# Allegro board LED_FIN.brd (continued)
## Placement (name value [footprint] x y rotation side) (continued)
U219  -  [NTK3134N-D]  165.9 158.25 0 top
U220  -  [NTK3134N-D]  167.9 158.25 0 top
U221  -  [NTK3134N-D]  169.9 158.25 0 top
U222  -  [NTK3134N-D]  171.9 158.25 0 top
U223  -  [NTK3134N-D]  173.9 158.25 0 top
U224  -  [NTK3134N-D]  175.9 158.25 0 top
U225  -  [NTK3134N-D]  177.9 158.25 0 top
U226  -  [NTK3134N-D]  179.9 158.25 0 top
U227  -  [NTK3134N-D]  181.9 158.25 0 top
U228  -  [NTK3134N-D]  183.9 158.25 0 top
U229  -  [NTK3134N-D]  185.9 158.25 0 top
U230  -  [NTK3134N-D]  187.9 158.25 0 top
U231  -  [NTK3134N-D]  189.9 158.25 0 top
U232  -  [NTK3134N-D]  191.9 158.25 0 top
U233  -  [NTK3134N-D]  193.9 158.25 0 top
U234  -  [NTK3134N-D]  195.9 158.25 0 top
U235  -  [NTK3134N-D]  197.9 158.25 0 top
U236  -  [NTK3134N-D]  199.9 158.25 0 top
U237  -  [NTK3134N-D]  201.9 158.25 0 top
U238  -  [NTK3134N-D]  203.9 158.25 0 top
U239  -  [NTK3134N-D]  205.9 158.25 0 top
U240  -  [NTK3134N-D]  207.9 158.25 0 top
U241  -  [NTK3134N-D]  209.9 158.25 0 top
U242  -  [NTK3134N-D]  211.9 158.25 0 top
U243  -  [NTK3134N-D]  213.9 158.25 0 top
U244  -  [NTK3134N-D]  215.9 158.25 0 top
U245  -  [NTK3134N-D]  217.9 158.25 0 top
U246  -  [NTK3134N-D]  219.9 158.25 0 top
U247  -  [NTK3134N-D]  221.9 158.25 0 top
U248  -  [NTK3134N-D]  223.9 158.25 0 top
U249  -  [NTK3134N-D]  225.9 158.25 0 top
U250  -  [NTK3134N-D]  227.9 158.25 0 top
U251  -  [NTK3134N-D]  229.9 158.25 0 top
U252  -  [NTK3134N-D]  231.9 158.25 0 top
U253  -  [NTK3134N-D]  233.9 158.25 0 top
U254  -  [NTK3134N-D]  235.9 158.25 0 top
U255  -  [NTK3134N-D]  237.9 158.25 0 top
U256  -  [NTK3134N-D]  239.9 158.25 0 top
U257  -  [NTK3134N-D]  241.9 158.25 0 top
U258  -  [NTK3134N-D]  243.9 158.25 0 top
U259  -  [NTK3134N-D]  245.9 158.25 0 top
U260  -  [NTK3134N-D]  247.9 158.25 0 top
U261  -  [NTK3134N-D]  249.9 158.25 0 top
U262  -  [NTK3134N-D]  251.9 158.25 0 top
U263  -  [NTK3134N-D]  253.9 158.25 0 top
U264  -  [NTK3134N-D]  255.9 158.25 0 top
U265  -  [NTK3134N-D]  257.9 158.25 0 top
U266  -  [NTK3134N-D]  259.9 158.25 0 top
U267  -  [NTK3134N-D]  261.9 158.25 0 top
U268  -  [NTK3134N-D]  263.9 158.25 0 top
U269  -  [NTK3134N-D]  265.9 158.25 0 top
U270  -  [NTK3134N-D]  267.9 158.25 0 top
U271  -  [NTK3134N-D]  269.9 158.25 0 top
U272  -  [NTK3134N-D]  271.9 158.25 0 top
U273  -  [NTK3134N-D]  273.9 158.25 0 top
U274  -  [NTK3134N-D]  275.9 158.25 0 top
U275  -  [NTK3134N-D]  145.2 103.45 180 top
U276  -  [NTK3134N-D]  147.2 103.45 180 top
U277  -  [NTK3134N-D]  149.2 103.45 180 top
U278  -  [NTK3134N-D]  151.2 103.45 180 top
U279  -  [NTK3134N-D]  153.2 103.45 180 top
U280  -  [NTK3134N-D]  155.2 103.45 180 top
U281  -  [NTK3134N-D]  157.2 103.45 180 top
U282  -  [NTK3134N-D]  159.2 103.45 180 top
U283  -  [NTK3134N-D]  161.2 103.45 180 top
U284  -  [NTK3134N-D]  163.2 103.45 180 top
U285  -  [NTK3134N-D]  165.2 103.45 180 top
U286  -  [NTK3134N-D]  167.2 103.45 180 top
U287  -  [NTK3134N-D]  169.2 103.45 180 top
U288  -  [NTK3134N-D]  171.2 103.45 180 top
U289  -  [NTK3134N-D]  173.2 103.45 180 top
U290  -  [NTK3134N-D]  175.2 103.45 180 top
U291  -  [NTK3134N-D]  177.2 103.45 180 top
U292  -  [NTK3134N-D]  179.2 103.45 180 top
U293  -  [NTK3134N-D]  181.2 103.45 180 top
U294  -  [NTK3134N-D]  183.2 103.45 180 top
U295  -  [NTK3134N-D]  185.2 103.45 180 top
U296  -  [NTK3134N-D]  187.2 103.45 180 top
U297  -  [NTK3134N-D]  189.2 103.45 180 top
U298  -  [NTK3134N-D]  191.2 103.45 180 top
U299  -  [NTK3134N-D]  193.2 103.45 180 top
U300  -  [NTK3134N-D]  195.2 103.45 180 top
U301  -  [NTK3134N-D]  197.2 103.45 180 top
U302  -  [NTK3134N-D]  199.2 103.45 180 top
U303  -  [NTK3134N-D]  201.2 103.45 180 top
U304  -  [NTK3134N-D]  203.2 103.45 180 top
U305  -  [NTK3134N-D]  205.2 103.45 180 top
U306  -  [NTK3134N-D]  207.2 103.45 180 top
U307  -  [NTK3134N-D]  209.2 103.45 180 top
U308  -  [NTK3134N-D]  211.2 103.45 180 top
U309  -  [NTK3134N-D]  213.2 103.45 180 top
U310  -  [NTK3134N-D]  215.2 103.45 180 top
U311  -  [NTK3134N-D]  217.2 103.45 180 top
U312  -  [NTK3134N-D]  39.2 103.45 180 top
U313  -  [NTK3134N-D]  41.2 103.45 180 top
U314  -  [NTK3134N-D]  219.2 103.45 180 top
U315  -  [NTK3134N-D]  221.2 103.45 180 top
U316  -  [NTK3134N-D]  223.2 103.45 180 top
U317  -  [NTK3134N-D]  225.2 103.45 180 top
U318  -  [NTK3134N-D]  227.2 103.45 180 top
U319  -  [NTK3134N-D]  229.2 103.45 180 top
U320  -  [NTK3134N-D]  231.2 103.45 180 top
U321  -  [NTK3134N-D]  233.2 103.45 180 top
U322  -  [NTK3134N-D]  235.2 103.45 180 top
U323  -  [NTK3134N-D]  237.2 103.45 180 top
U324  -  [NTK3134N-D]  239.2 103.45 180 top
U325  -  [NTK3134N-D]  241.2 103.45 180 top
U326  -  [NTK3134N-D]  243.2 103.45 180 top
U327  -  [NTK3134N-D]  245.2 103.45 180 top
U328  -  [NTK3134N-D]  247.2 103.45 180 top
U329  -  [NTK3134N-D]  249.2 103.45 180 top
U330  -  [NTK3134N-D]  251.2 103.45 180 top
U331  -  [NTK3134N-D]  253.2 103.45 180 top
U332  -  [NTK3134N-D]  255.2 103.45 180 top
U333  -  [NTK3134N-D]  257.2 103.45 180 top
U334  -  [NTK3134N-D]  259.2 103.45 180 top
U335  -  [NTK3134N-D]  261.2 103.45 180 top
U336  -  [NTK3134N-D]  263.2 103.45 180 top
U337  -  [NTK3134N-D]  265.2 103.45 180 top
U338  -  [NTK3134N-D]  267.2 103.45 180 top
U339  -  [NTK3134N-D]  269.2 103.45 180 top
U340  -  [NTK3134N-D]  271.2 103.45 180 top
U341  -  [NTK3134N-D]  273.2 103.45 180 top
U342  -  [NTK3134N-D]  275.2 103.45 180 top
U343  -  [NTK3134N-D]  277.2 103.45 180 top
U344  -  [NTK3134N-D]  43.2 103.45 180 top
U345  -  [NTK3134N-D]  45.2 103.45 180 top
U346  -  [NTK3134N-D]  47.2 103.45 180 top
U347  -  [NTK3134N-D]  49.2 103.45 180 top
U348  -  [NTK3134N-D]  51.2 103.45 180 top
U349  -  [NTK3134N-D]  53.2 103.45 180 top
U350  -  [NTK3134N-D]  55.2 103.45 180 top
U351  -  [NTK3134N-D]  57.2 103.45 180 top
U352  -  [NTK3134N-D]  59.2 103.45 180 top
U353  -  [NTK3134N-D]  61.2 103.45 180 top
U354  -  [NTK3134N-D]  63.2 103.45 180 top
U355  -  [NTK3134N-D]  65.2 103.45 180 top
U356  -  [NTK3134N-D]  67.2 103.45 180 top
U357  -  [NTK3134N-D]  69.2 103.45 180 top
U358  -  [NTK3134N-D]  71.2 103.45 180 top
U359  -  [NTK3134N-D]  73.2 103.45 180 top
U360  -  [NTK3134N-D]  75.2 103.45 180 top
U361  -  [NTK3134N-D]  77.2 103.45 180 top
U362  -  [NTK3134N-D]  79.2 103.45 180 top
U363  -  [NTK3134N-D]  81.2 103.45 180 top
U364  -  [NTK3134N-D]  83.2 103.45 180 top
U365  -  [NTK3134N-D]  85.2 103.45 180 top
U366  -  [NTK3134N-D]  87.2 103.45 180 top
U367  -  [NTK3134N-D]  89.2 103.45 180 top
U368  -  [NTK3134N-D]  91.2 103.45 180 top
U369  -  [NTK3134N-D]  93.2 103.45 180 top
U370  -  [NTK3134N-D]  95.2 103.45 180 top
U371  -  [NTK3134N-D]  97.2 103.45 180 top
U372  -  [NTK3134N-D]  99.2 103.45 180 top
U373  -  [NTK3134N-D]  101.2 103.45 180 top
U374  -  [NTK3134N-D]  103.2 103.45 180 top
U375  -  [NTK3134N-D]  105.2 103.45 180 top
U376  -  [NTK3134N-D]  107.2 103.45 180 top
U377  -  [NTK3134N-D]  109.2 103.45 180 top
U378  -  [NTK3134N-D]  111.2 103.45 180 top
U379  -  [NTK3134N-D]  113.2 103.45 180 top
U380  -  [NTK3134N-D]  115.2 103.45 180 top
U381  -  [NTK3134N-D]  117.2 103.45 180 top
U382  -  [NTK3134N-D]  119.2 103.45 180 top
U383  -  [NTK3134N-D]  121.2 103.45 180 top
U384  -  [NTK3134N-D]  123.2 103.45 180 top
U385  -  [NTK3134N-D]  125.2 103.45 180 top
U386  -  [NTK3134N-D]  127.2 103.45 180 top
U387  -  [NTK3134N-D]  129.2 103.45 180 top
U388  -  [NTK3134N-D]  131.2 103.45 180 top
U389  -  [NTK3134N-D]  133.2 103.45 180 top
U390  -  [NTK3134N-D]  135.2 103.45 180 top
U391  -  [NTK3134N-D]  137.2 103.45 180 top
U392  -  [NTK3134N-D]  139.2 103.45 180 top
U393  -  [NTK3134N-D]  141.2 103.45 180 top
U394  -  [NTK3134N-D]  143.2 103.45 180 top
U395  -  [NTK3134N-D]  145.3 13.5 180 top
U396  -  [NTK3134N-D]  147.3 13.5 180 top
U397  -  [NTK3134N-D]  149.3 13.5 180 top
U398  -  [NTK3134N-D]  151.3 13.5 180 top
U399  -  [NTK3134N-D]  153.3 13.5 180 top
U400  -  [NTK3134N-D]  155.3 13.5 180 top
U401  -  [NTK3134N-D]  157.3 13.5 180 top
U402  -  [NTK3134N-D]  159.3 13.5 180 top
U403  -  [NTK3134N-D]  161.3 13.5 180 top
U404  -  [NTK3134N-D]  163.3 13.5 180 top
U405  -  [NTK3134N-D]  165.3 13.5 180 top
U406  -  [NTK3134N-D]  167.3 13.5 180 top
U407  -  [NTK3134N-D]  169.3 13.5 180 top
U408  -  [NTK3134N-D]  171.3 13.5 180 top
U409  -  [NTK3134N-D]  173.3 13.5 180 top
U410  -  [NTK3134N-D]  175.3 13.5 180 top
U411  -  [NTK3134N-D]  177.3 13.5 180 top
U412  -  [NTK3134N-D]  179.3 13.5 180 top
U413  -  [NTK3134N-D]  181.3 13.5 180 top
U414  -  [NTK3134N-D]  183.3 13.5 180 top
U415  -  [NTK3134N-D]  185.3 13.5 180 top
U416  -  [NTK3134N-D]  187.3 13.5 180 top
U417  -  [NTK3134N-D]  189.3 13.5 180 top
U418  -  [NTK3134N-D]  191.3 13.5 180 top
U419  -  [NTK3134N-D]  193.3 13.5 180 top
U420  -  [NTK3134N-D]  195.3 13.5 180 top
U421  -  [NTK3134N-D]  197.3 13.5 180 top
U422  -  [NTK3134N-D]  199.3 13.5 180 top
U423  -  [NTK3134N-D]  201.3 13.5 180 top
U424  -  [NTK3134N-D]  203.3 13.5 180 top
U425  -  [NTK3134N-D]  205.3 13.5 180 top
U426  -  [NTK3134N-D]  207.3 13.5 180 top
U427  -  [NTK3134N-D]  209.3 13.5 180 top
U428  -  [NTK3134N-D]  211.3 13.5 180 top
U429  -  [NTK3134N-D]  213.3 13.5 180 top
U430  -  [NTK3134N-D]  215.3 13.5 180 top
U431  -  [NTK3134N-D]  217.3 13.5 180 top
U432  -  [NTK3134N-D]  39.3 13.5 180 top
U433  -  [NTK3134N-D]  41.3 13.5 180 top
U434  -  [NTK3134N-D]  219.3 13.5 180 top
U435  -  [NTK3134N-D]  221.3 13.5 180 top
U436  -  [NTK3134N-D]  223.3 13.5 180 top
U437  -  [NTK3134N-D]  225.3 13.5 180 top
U438  -  [NTK3134N-D]  227.3 13.5 180 top
U439  -  [NTK3134N-D]  229.3 13.5 180 top
U440  -  [NTK3134N-D]  231.3 13.5 180 top
U441  -  [NTK3134N-D]  233.3 13.5 180 top
U442  -  [NTK3134N-D]  235.3 13.5 180 top
U443  -  [NTK3134N-D]  237.3 13.5 180 top
U444  -  [NTK3134N-D]  239.3 13.5 180 top
U445  -  [NTK3134N-D]  241.3 13.5 180 top
U446  -  [NTK3134N-D]  243.3 13.5 180 top
U447  -  [NTK3134N-D]  245.3 13.5 180 top
U448  -  [NTK3134N-D]  247.3 13.5 180 top
U449  -  [NTK3134N-D]  249.3 13.5 180 top
U450  -  [NTK3134N-D]  251.3 13.5 180 top
U451  -  [NTK3134N-D]  253.3 13.5 180 top
U452  -  [NTK3134N-D]  255.3 13.5 180 top
U453  -  [NTK3134N-D]  257.3 13.5 180 top
U454  -  [NTK3134N-D]  259.3 13.5 180 top
U455  -  [NTK3134N-D]  261.3 13.5 180 top
U456  -  [NTK3134N-D]  263.3 13.5 180 top
U457  -  [NTK3134N-D]  265.3 13.5 180 top
U458  -  [NTK3134N-D]  267.3 13.5 180 top
U459  -  [NTK3134N-D]  269.3 13.5 180 top
U460  -  [NTK3134N-D]  271.3 13.5 180 top
U461  -  [NTK3134N-D]  273.3 13.5 180 top
U462  -  [NTK3134N-D]  275.3 13.5 180 top
U463  -  [NTK3134N-D]  277.3 13.5 180 top
U464  -  [NTK3134N-D]  43.3 13.5 180 top
U465  -  [NTK3134N-D]  45.3 13.5 180 top
U466  -  [NTK3134N-D]  47.3 13.5 180 top
U467  -  [NTK3134N-D]  49.3 13.5 180 top
U468  -  [NTK3134N-D]  51.3 13.5 180 top
U469  -  [NTK3134N-D]  53.3 13.5 180 top
U470  -  [NTK3134N-D]  55.3 13.5 180 top
U471  -  [NTK3134N-D]  57.3 13.5 180 top
U472  -  [NTK3134N-D]  59.3 13.5 180 top
U473  -  [NTK3134N-D]  61.3 13.5 180 top
U474  -  [NTK3134N-D]  63.3 13.5 180 top
U475  -  [NTK3134N-D]  65.3 13.5 180 top
U476  -  [NTK3134N-D]  67.3 13.5 180 top
U477  -  [NTK3134N-D]  69.3 13.5 180 top
U478  -  [NTK3134N-D]  71.3 13.5 180 top
U479  -  [NTK3134N-D]  73.3 13.5 180 top
U480  -  [NTK3134N-D]  75.3 13.5 180 top
U481  -  [NTK3134N-D]  77.3 13.5 180 top
U482  -  [NTK3134N-D]  79.3 13.5 180 top
U483  -  [NTK3134N-D]  81.3 13.5 180 top
U484  -  [NTK3134N-D]  83.3 13.5 180 top
U485  -  [NTK3134N-D]  85.3 13.5 180 top
U486  -  [NTK3134N-D]  87.3 13.5 180 top
U487  -  [NTK3134N-D]  89.3 13.5 180 top
U488  -  [NTK3134N-D]  91.3 13.5 180 top
U489  -  [NTK3134N-D]  93.3 13.5 180 top
U490  -  [NTK3134N-D]  95.3 13.5 180 top
U491  -  [NTK3134N-D]  97.3 13.5 180 top
U492  -  [NTK3134N-D]  99.3 13.5 180 top
U493  -  [NTK3134N-D]  101.3 13.5 180 top
U494  -  [NTK3134N-D]  103.3 13.5 180 top
U495  -  [NTK3134N-D]  105.3 13.5 180 top
U496  -  [NTK3134N-D]  107.3 13.5 180 top
U497  -  [NTK3134N-D]  109.3 13.5 180 top
U498  -  [NTK3134N-D]  111.3 13.5 180 top
U499  -  [NTK3134N-D]  113.3 13.5 180 top
U500  -  [NTK3134N-D]  115.3 13.5 180 top
U501  -  [NTK3134N-D]  117.3 13.5 180 top
U502  -  [NTK3134N-D]  119.3 13.5 180 top
U503  -  [NTK3134N-D]  121.3 13.5 180 top
U504  -  [NTK3134N-D]  123.3 13.5 180 top
U505  -  [NTK3134N-D]  125.3 13.5 180 top
U506  -  [NTK3134N-D]  127.3 13.5 180 top
U507  -  [NTK3134N-D]  129.3 13.5 180 top
U508  -  [NTK3134N-D]  131.3 13.5 180 top
U509  -  [NTK3134N-D]  133.3 13.5 180 top
U510  -  [NTK3134N-D]  135.3 13.5 180 top
U511  -  [NTK3134N-D]  137.3 13.5 180 top
U512  -  [NTK3134N-D]  139.3 13.5 180 top
U513  -  [NTK3134N-D]  141.3 13.5 180 top
U514  -  [NTK3134N-D]  143.3 13.5 180 top
U515  Value  [DGS10]  23.9 24.55 0 top
U516  -  [19-037R]  24.8 29.95 0 top
U517  Reset_all+  [STITCH_2D54]  5.25 44.9 0 top
U518  Reset_all-  [STITCH_2D54]  5.25 41.3 0 top
U519  VDD  [STITCH_2D54]  1.85 47.75 0 top
U520  GND  [STITCH_2D54]  1.65 43.3 0 top
U521  GND  [STITCH_2D54]  1.65 38.8 0 top

## Library data of the parts
CBST CBYP CCOMP1-CCOMP3 CIN COUT CSS CVCC = CAP NP
D1-D13680 = 1N6264/TO
DS DS1 = DIODE SCHOTTKY23
J1-J8 = DIP_40X2
J10-J13 U517-U521 = Stitch
L1 = INDUCTOR
M1 M2 U155-U514 = 2N7000
R1-R360 RCOMP1 RCOMP2 RFBB RFBT RPGOOD RPOWER RS = R
SW1 = Switch_6Pin
U1-U114 = BSH203
U515 = TPS40304_DRC_10
U516 = 19-037R/RSGHBHW1-S01/2T

## Footprints (pads in the part's own frame, mm; a bottom-side part is the same pattern mirrored in y, then rotated)
19-037R
  rect 0.4x0.5 smd: 1(5.4,3.3) 2(6.1,3.3) 3(6.8,3.3) 4(5.4,4.7) 5(6.1,4.7) 6(6.8,4.7)
0603_SINGLE
  rect 0.8x0.5 smd: 1(1.3,0.8) 3(1.3,1.9)
DGS10
  rect 1.575x0.279 smd: 1(-2.095,1) 2(-2.095,0.5) 3(-2.095,0) 4(-2.095,-0.5) 5(-2.095,-1) 6(2.095,-1) 7(2.095,-0.5) 8(2.095,0) 9(2.095,0.5) 10(2.095,1)
DIP_40X2
  round 0.75 hole 0.55: 1(0,0) 2(0,-1.27) 3(0,-2.54) 4(0,-3.81) 5(0,-5.08) 6(0,-6.35) 7(0,-7.62) 8(0,-8.89) 9(0,-10.16) 10(0,-11.43) 11(0,-12.7) 12(0,-13.97) 13(0,-15.24) 14(0,-16.51) 15(0,-17.78) 16(0,-19.05) 17(0,-20.32) 18(0,-21.59) 19(0,-22.86) 20(0,-24.13) 21(0,-25.4) 22(0,-26.67) 23(0,-27.94) 24(0,-29.21) 25(0,-30.48) 26(0,-31.75) 27(0,-33.02) 28(0,-34.29) 29(0,-35.56) 30(0,-36.83) 31(0,-38.1) 32(0,-39.37) 33(0,-40.64) 34(0,-41.91) 35(0,-43.18) 36(0,-44.45) 37(0,-45.72) 38(0,-46.99) 39(0,-48.26) 40(0,-49.53) 41(1.27,0) 42(1.27,-1.27) 43(1.27,-2.54) 44(1.27,-3.81) 45(1.27,-5.08) 46(1.27,-6.35) 47(1.27,-7.62) 48(1.27,-8.89) 49(1.27,-10.16) 50(1.27,-11.43) 51(1.27,-12.7) 52(1.27,-13.97) 53(1.27,-15.24) 54(1.27,-16.51) 55(1.27,-17.78) 56(1.27,-19.05) 57(1.27,-20.32) 58(1.27,-21.59) 59(1.27,-22.86) 60(1.27,-24.13) 61(1.27,-25.4) 62(1.27,-26.67) 63(1.27,-27.94) 64(1.27,-29.21) 65(1.27,-30.48) 66(1.27,-31.75) 67(1.27,-33.02) 68(1.27,-34.29) 69(1.27,-35.56) 70(1.27,-36.83) 71(1.27,-38.1) 72(1.27,-39.37) 73(1.27,-40.64) 74(1.27,-41.91) 75(1.27,-43.18) 76(1.27,-44.45) 77(1.27,-45.72) 78(1.27,-46.99) 79(1.27,-48.26) 80(1.27,-49.53)
FDME905PT
  rect 0.6x1.9 smd: 1(0.4,1.05)
  rect 0.3x0.4 smd: 2(1.25,0.3) 3(1.25,1.8)
NTK3134N-D
  rect 0.3x0.5 smd: 1(0.25,0.35) 2(1.05,0.35)
  rect 0.4x0.5 smd: 3(0.65,1.35)
SMD_0402
  rect 0.6x0.5 smd: 1(0.3,1.15) 2(0.3,0.25)
SMD_0402_L
  rect 0.6x0.5 smd: 1(0.4,1.2) 2(0.4,0.3)
SMD_0603
  rect 0.8x0.6 smd: 1(0.45,1.85) 2(0.45,0.35)
SS14
  rect 2x2 smd: 1(1.5,1.5) 2(5.5,1.5)
STITCH_1D3
  round 2.5 hole 2: 1(1.4,1.4)
STITCH_2D54
  round 1.5 hole 0.9: 1(1.2,1.2)
SWITCH_6PIN
  round 0.9 hole 0.8: 1(-3.1,-10.6) 2(-1.1,-10.6) 3(0.9,-10.6) 4(0.9,-15.6) 5(-1.1,-15.6) 6(-3.1,-15.6)

## Nets
3.3V: COUT.1 L1.2 RCOMP2.1 RFBT.1 U1.3(SOURCE) U2.3(SOURCE) U3.3(SOURCE) U4.3(SOURCE) U5.3(SOURCE) U6.3(SOURCE) U7.3(SOURCE) U8.3(SOURCE) U9.3(SOURCE) U10.3(SOURCE) U11.3(SOURCE) U12.3(SOURCE) U13.3(SOURCE) U14.3(SOURCE) U15.3(SOURCE) U16.3(SOURCE) U17.3(SOURCE) U18.3(SOURCE) U19.3(SOURCE) U20.3(SOURCE) U21.3(SOURCE) U22.3(SOURCE) U23.3(SOURCE) U24.3(SOURCE) U25.3(SOURCE) U26.3(SOURCE) U27.3(SOURCE) U28.3(SOURCE) U29.3(SOURCE) U30.3(SOURCE) U31.3(SOURCE) U32.3(SOURCE) U33.3(SOURCE) U34.3(SOURCE) U35.3(SOURCE) U36.3(SOURCE) U37.3(SOURCE) U38.3(SOURCE) U39.3(SOURCE) U40.3(SOURCE) U41.3(SOURCE) U42.3(SOURCE) U43.3(SOURCE) U44.3(SOURCE) U45.3(SOURCE) U46.3(SOURCE) U47.3(SOURCE) U48.3(SOURCE) U49.3(SOURCE) U50.3(SOURCE) U51.3(SOURCE) U52.3(SOURCE) U53.3(SOURCE) U54.3(SOURCE) U55.3(SOURCE) U56.3(SOURCE) U57.3(SOURCE) U58.3(SOURCE) U59.3(SOURCE) U60.3(SOURCE) U61.3(SOURCE) U62.3(SOURCE) U63.3(SOURCE) U64.3(SOURCE) U65.3(SOURCE) U66.3(SOURCE) U67.3(SOURCE) U68.3(SOURCE) U69.3(SOURCE) U70.3(SOURCE) U71.3(SOURCE) U72.3(SOURCE) U73.3(SOURCE) U74.3(SOURCE) U75.3(SOURCE) U76.3(SOURCE) U77.3(SOURCE) U78.3(SOURCE) U79.3(SOURCE) U80.3(SOURCE) U81.3(SOURCE) U82.3(SOURCE) U83.3(SOURCE) U84.3(SOURCE) U85.3(SOURCE) U86.3(SOURCE) U87.3(SOURCE) U88.3(SOURCE) U89.3(SOURCE) U90.3(SOURCE) U91.3(SOURCE) U92.3(SOURCE) U93.3(SOURCE) U94.3(SOURCE) U95.3(SOURCE) U96.3(SOURCE) U97.3(SOURCE) U98.3(SOURCE) U99.3(SOURCE) U100.3(SOURCE) U101.3(SOURCE) U102.3(SOURCE) U103.3(SOURCE) U104.3(SOURCE) U105.3(SOURCE) U106.3(SOURCE) U107.3(SOURCE) U108.3(SOURCE) U109.3(SOURCE) U110.3(SOURCE) U111.3(SOURCE) U112.3(SOURCE) U113.3(SOURCE) U114.3(SOURCE) U519.1(PIN)
GND: CBYP.2 CIN.2 COUT.2 CSS.2 CVCC.2 J11.1(PIN) J13.1(PIN) M2.2(SOURCE) RFBB.2 RS.2 U155.2(SOURCE) U156.2(SOURCE) U157.2(SOURCE) U158.2(SOURCE) U159.2(SOURCE) U160.2(SOURCE) U161.2(SOURCE) U162.2(SOURCE) U163.2(SOURCE) U164.2(SOURCE) U165.2(SOURCE) U166.2(SOURCE) U167.2(SOURCE) U168.2(SOURCE) U169.2(SOURCE) U170.2(SOURCE) U171.2(SOURCE) U172.2(SOURCE) U173.2(SOURCE) U174.2(SOURCE) U175.2(SOURCE) U176.2(SOURCE) U177.2(SOURCE) U178.2(SOURCE) U179.2(SOURCE) U180.2(SOURCE) U181.2(SOURCE) U182.2(SOURCE) U183.2(SOURCE) U184.2(SOURCE) U185.2(SOURCE) U186.2(SOURCE) U187.2(SOURCE) U188.2(SOURCE) U189.2(SOURCE) U190.2(SOURCE) U191.2(SOURCE) U192.2(SOURCE) U193.2(SOURCE) U194.2(SOURCE) U195.2(SOURCE) U196.2(SOURCE) U197.2(SOURCE) U198.2(SOURCE) U199.2(SOURCE) U200.2(SOURCE) U201.2(SOURCE) U202.2(SOURCE) U203.2(SOURCE) U204.2(SOURCE) U205.2(SOURCE) U206.2(SOURCE) U207.2(SOURCE) U208.2(SOURCE) U209.2(SOURCE) U210.2(SOURCE) U211.2(SOURCE) U212.2(SOURCE) U213.2(SOURCE) U214.2(SOURCE) U215.2(SOURCE) U216.2(SOURCE) U217.2(SOURCE) U218.2(SOURCE) U219.2(SOURCE) U220.2(SOURCE) U221.2(SOURCE) U222.2(SOURCE) U223.2(SOURCE) U224.2(SOURCE) U225.2(SOURCE) U226.2(SOURCE) U227.2(SOURCE) U228.2(SOURCE) U229.2(SOURCE) U230.2(SOURCE) U231.2(SOURCE) U232.2(SOURCE) U233.2(SOURCE) U234.2(SOURCE) U235.2(SOURCE) U236.2(SOURCE) U237.2(SOURCE) U238.2(SOURCE) U239.2(SOURCE) U240.2(SOURCE) U241.2(SOURCE) U242.2(SOURCE) U243.2(SOURCE) U244.2(SOURCE) U245.2(SOURCE) U246.2(SOURCE) U247.2(SOURCE) U248.2(SOURCE) U249.2(SOURCE) U250.2(SOURCE) U251.2(SOURCE) U252.2(SOURCE) U253.2(SOURCE) U254.2(SOURCE) U255.2(SOURCE) U256.2(SOURCE) U257.2(SOURCE) U258.2(SOURCE) U259.2(SOURCE) U260.2(SOURCE) U261.2(SOURCE) U262.2(SOURCE) U263.2(SOURCE) U264.2(SOURCE) U265.2(SOURCE) U266.2(SOURCE) U267.2(SOURCE) U268.2(SOURCE) U269.2(SOURCE) U270.2(SOURCE) U271.2(SOURCE) U272.2(SOURCE) U273.2(SOURCE) U274.2(SOURCE) U275.2(SOURCE) U276.2(SOURCE) U277.2(SOURCE) U278.2(SOURCE) U279.2(SOURCE) U280.2(SOURCE) U281.2(SOURCE) U282.2(SOURCE) U283.2(SOURCE) U284.2(SOURCE) U285.2(SOURCE) U286.2(SOURCE) U287.2(SOURCE) U288.2(SOURCE) U289.2(SOURCE) U290.2(SOURCE) U291.2(SOURCE) U292.2(SOURCE) U293.2(SOURCE) U294.2(SOURCE) U295.2(SOURCE) U296.2(SOURCE) U297.2(SOURCE) U298.2(SOURCE) U299.2(SOURCE) U300.2(SOURCE) U301.2(SOURCE) U302.2(SOURCE) U303.2(SOURCE) U304.2(SOURCE) U305.2(SOURCE) U306.2(SOURCE) U307.2(SOURCE) U308.2(SOURCE) U309.2(SOURCE) U310.2(SOURCE) U311.2(SOURCE) U312.2(SOURCE) U313.2(SOURCE) U314.2(SOURCE) U315.2(SOURCE) U316.2(SOURCE) U317.2(SOURCE) U318.2(SOURCE) U319.2(SOURCE) U320.2(SOURCE) U321.2(SOURCE) U322.2(SOURCE) U323.2(SOURCE) U324.2(SOURCE) U325.2(SOURCE) U326.2(SOURCE) U327.2(SOURCE) U328.2(SOURCE) U329.2(SOURCE) U330.2(SOURCE) U331.2(SOURCE) U332.2(SOURCE) U333.2(SOURCE) U334.2(SOURCE) U335.2(SOURCE) U336.2(SOURCE) U337.2(SOURCE) U338.2(SOURCE) U339.2(SOURCE) U340.2(SOURCE) U341.2(SOURCE) U342.2(SOURCE) U343.2(SOURCE) U344.2(SOURCE) U345.2(SOURCE) U346.2(SOURCE) U347.2(SOURCE) U348.2(SOURCE) U349.2(SOURCE) U350.2(SOURCE) U351.2(SOURCE) U352.2(SOURCE) U353.2(SOURCE) U354.2(SOURCE) U355.2(SOURCE) U356.2(SOURCE) U357.2(SOURCE) U358.2(SOURCE) U359.2(SOURCE) U360.2(SOURCE) U361.2(SOURCE) U362.2(SOURCE) U363.2(SOURCE) U364.2(SOURCE) U365.2(SOURCE) U366.2(SOURCE) U367.2(SOURCE) U368.2(SOURCE) U369.2(SOURCE) U370.2(SOURCE) U371.2(SOURCE) U372.2(SOURCE) U373.2(SOURCE) U374.2(SOURCE) U375.2(SOURCE) U376.2(SOURCE) U377.2(SOURCE) U378.2(SOURCE) U379.2(SOURCE) U380.2(SOURCE) U381.2(SOURCE) U382.2(SOURCE) U383.2(SOURCE) U384.2(SOURCE) U385.2(SOURCE) U386.2(SOURCE) U387.2(SOURCE) U388.2(SOURCE) U389.2(SOURCE) U390.2(SOURCE) U391.2(SOURCE) U392.2(SOURCE) U393.2(SOURCE) U394.2(SOURCE) U395.2(SOURCE) U396.2(SOURCE) U397.2(SOURCE) U398.2(SOURCE) U399.2(SOURCE) U400.2(SOURCE) U401.2(SOURCE) U402.2(SOURCE) U403.2(SOURCE) U404.2(SOURCE) U405.2(SOURCE) U406.2(SOURCE) U407.2(SOURCE) U408.2(SOURCE) U409.2(SOURCE) U410.2(SOURCE) U411.2(SOURCE) U412.2(SOURCE) U413.2(SOURCE) U414.2(SOURCE) U415.2(SOURCE) U416.2(SOURCE) U417.2(SOURCE) U418.2(SOURCE) U419.2(SOURCE) U420.2(SOURCE) U421.2(SOURCE) U422.2(SOURCE) U423.2(SOURCE) U424.2(SOURCE) U425.2(SOURCE) U426.2(SOURCE) U427.2(SOURCE) U428.2(SOURCE) U429.2(SOURCE) U430.2(SOURCE) U431.2(SOURCE) U432.2(SOURCE) U433.2(SOURCE) U434.2(SOURCE) U435.2(SOURCE) U436.2(SOURCE) U437.2(SOURCE) U438.2(SOURCE) U439.2(SOURCE) U440.2(SOURCE) U441.2(SOURCE) U442.2(SOURCE) U443.2(SOURCE) U444.2(SOURCE) U445.2(SOURCE) U446.2(SOURCE) U447.2(SOURCE) U448.2(SOURCE) U449.2(SOURCE) U450.2(SOURCE) U451.2(SOURCE) U452.2(SOURCE) U453.2(SOURCE) U454.2(SOURCE) U455.2(SOURCE) U456.2(SOURCE) U457.2(SOURCE) U458.2(SOURCE) U459.2(SOURCE) U460.2(SOURCE) U461.2(SOURCE) U462.2(SOURCE) U463.2(SOURCE) U464.2(SOURCE) U465.2(SOURCE) U466.2(SOURCE) U467.2(SOURCE) U468.2(SOURCE) U469.2(SOURCE) U470.2(SOURCE) U471.2(SOURCE) U472.2(SOURCE) U473.2(SOURCE) U474.2(SOURCE) U475.2(SOURCE) U476.2(SOURCE) U477.2(SOURCE) U478.2(SOURCE) U479.2(SOURCE) U480.2(SOURCE) U481.2(SOURCE) U482.2(SOURCE) U483.2(SOURCE) U484.2(SOURCE) U485.2(SOURCE) U486.2(SOURCE) U487.2(SOURCE) U488.2(SOURCE) U489.2(SOURCE) U490.2(SOURCE) U491.2(SOURCE) U492.2(SOURCE) U493.2(SOURCE) U494.2(SOURCE) U495.2(SOURCE) U496.2(SOURCE) U497.2(SOURCE) U498.2(SOURCE) U499.2(SOURCE) U500.2(SOURCE) U501.2(SOURCE) U502.2(SOURCE) U503.2(SOURCE) U504.2(SOURCE) U505.2(SOURCE) U506.2(SOURCE) U507.2(SOURCE) U508.2(SOURCE) U509.2(SOURCE) U510.2(SOURCE) U511.2(SOURCE) U512.2(SOURCE) U513.2(SOURCE) U514.2(SOURCE) U516.1(R-) U516.2(G-) U516.3(B-) U520.1(PIN) U521.1(PIN)
COL_CON_A0: J3.1(DIP_1) U274.1(GATE)
COL_CON_A1: J3.2(DIP_2) U273.1(GATE)
COL_CON_A2: J3.3(DIP_3) U272.1(GATE)
COL_CON_A3: J3.4(DIP_4) U271.1(GATE)
COL_CON_A4: J3.5(DIP_5) U270.1(GATE)
COL_CON_A5: J3.6(DIP_6) U269.1(GATE)
COL_CON_A6: J3.7(DIP_7) U268.1(GATE)
COL_CON_A7: J3.8(DIP_8) U267.1(GATE)
COL_CON_A8: J3.9(DIP_9) U266.1(GATE)
COL_CON_A9: J3.10(DIP_10) U265.1(GATE)
COL_CON_A10: J3.11(DIP_11) U264.1(GATE)
COL_CON_A11: J3.12(DIP_12) U263.1(GATE)
COL_CON_A12: J3.13(DIP_13) U262.1(GATE)
COL_CON_A13: J3.14(DIP_14) U261.1(GATE)
COL_CON_A14: J3.15(DIP_15) U260.1(GATE)
COL_CON_A15: J3.16(DIP_16) U259.1(GATE)
COL_CON_A16: J3.17(DIP_17) U258.1(GATE)
COL_CON_A17: J3.18(DIP_18) U257.1(GATE)
COL_CON_A18: J3.19(DIP_19) U256.1(GATE)
COL_CON_A19: J3.20(DIP_20) U255.1(GATE)
COL_CON_A20: J3.21(DIP_21) U254.1(GATE)
COL_CON_A21: J3.22(DIP_22) U253.1(GATE)
COL_CON_A22: J3.23(DIP_23) U252.1(GATE)
COL_CON_A23: J3.24(DIP_24) U251.1(GATE)
COL_CON_A24: J3.25(DIP_25) U250.1(GATE)
COL_CON_A25: J3.26(DIP_26) U249.1(GATE)
COL_CON_A26: J3.27(DIP_27) U248.1(GATE)
COL_CON_A27: J3.28(DIP_28) U247.1(GATE)
COL_CON_A28: J3.29(DIP_29) U246.1(GATE)
COL_CON_A29: J3.30(DIP_30) U245.1(GATE)
COL_CON_A30: J3.31(DIP_31) U244.1(GATE)
COL_CON_A31: J3.32(DIP_32) U243.1(GATE)
COL_CON_A32: J3.33(DIP_33) U242.1(GATE)
COL_CON_A33: J3.34(DIP_34) U241.1(GATE)
COL_CON_A34: J3.35(DIP_35) U240.1(GATE)
COL_CON_A35: J3.36(DIP_36) U239.1(GATE)
COL_CON_A36: J3.37(DIP_37) U238.1(GATE)
COL_CON_A37: J3.38(DIP_38) U237.1(GATE)
COL_CON_A38: J3.39(DIP_39) U236.1(GATE)
COL_CON_A39: J3.40(DIP_40) U235.1(GATE)
COL_CON_A40: J4.1(DIP_1) U234.1(GATE)
COL_CON_A41: J4.2(DIP_2) U233.1(GATE)
COL_CON_A42: J4.3(DIP_3) U232.1(GATE)
COL_CON_A43: J4.4(DIP_4) U231.1(GATE)
COL_CON_A44: J4.5(DIP_5) U230.1(GATE)
COL_CON_A45: J4.6(DIP_6) U229.1(GATE)
COL_CON_A46: J4.7(DIP_7) U228.1(GATE)
COL_CON_A47: J4.8(DIP_8) U227.1(GATE)
COL_CON_A48: J4.9(DIP_9) U226.1(GATE)
COL_CON_A49: J4.10(DIP_10) U225.1(GATE)
COL_CON_A50: J4.11(DIP_11) U224.1(GATE)
COL_CON_A51: J4.12(DIP_12) U223.1(GATE)
COL_CON_A52: J4.13(DIP_13) U222.1(GATE)
COL_CON_A53: J4.14(DIP_14) U221.1(GATE)
COL_CON_A54: J4.15(DIP_15) U220.1(GATE)